# Altium PCB Board.PcbDoc (part 7 of 8)
Units mil, origin at the board's own origin, x right, y up, seen from the top; angles counter-clockwise.
Board outline 2740.16 x 1181.1 mil, 6 copper layers (Top Layer, Int1 (GND), Int2 (Sign), Int3 (Sign), Int4 (PWR), Bottom Layer), stack 60.567 mil thick; 167 components, 261 nets, 1353 pads, 681 vias.
Unrouted connection lines stored in the file: 23.
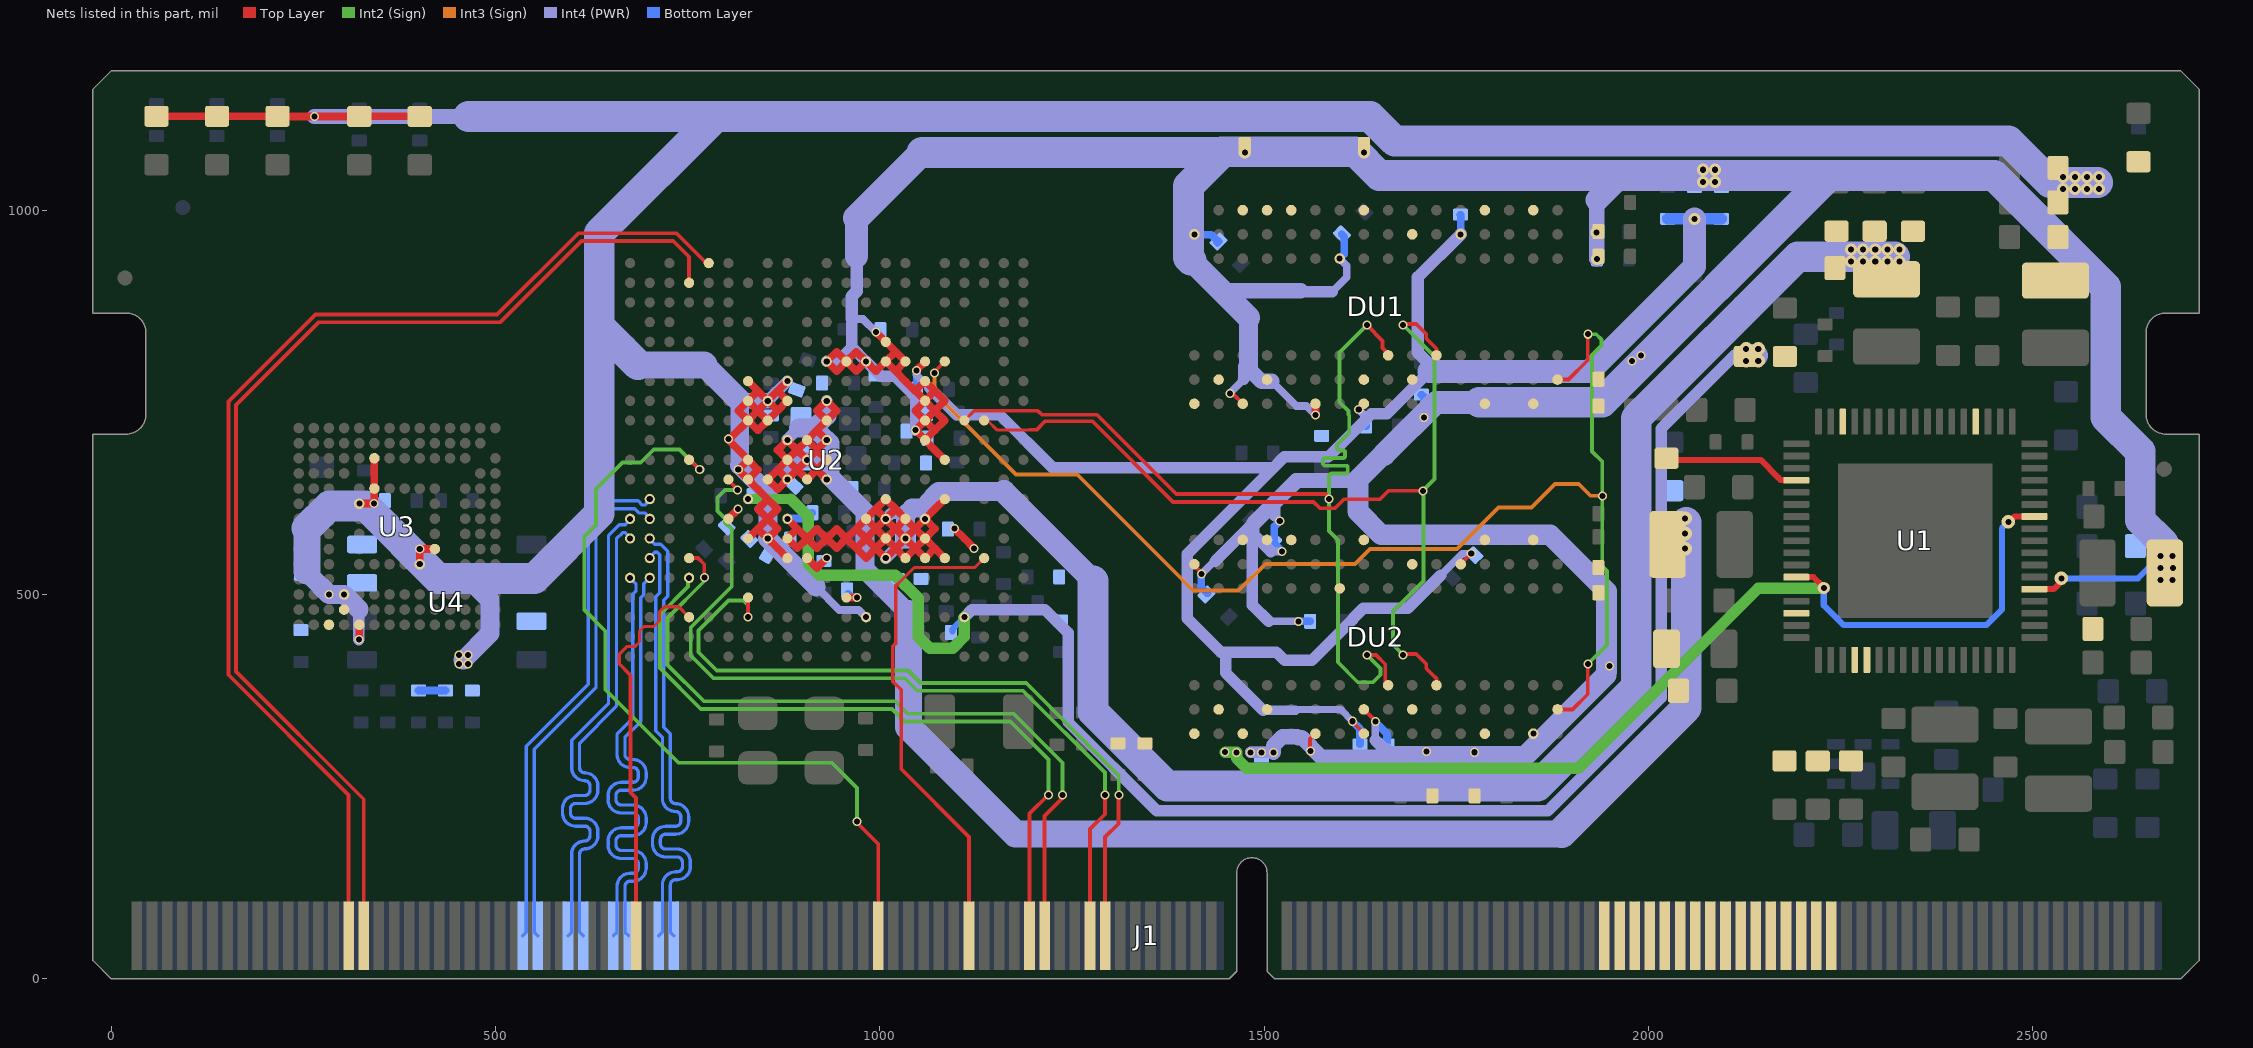
[diagram p11: the nets of this part, all layers, seen from the top]

## Via types
v1: diameter 11.81, hole 7.87, Top Layer to Bottom Layer, tented both sides, 510 vias
v2: diameter 17.72, hole 7.87, Top Layer to Bottom Layer, tented both sides, 112 vias
v3: diameter 15.75, hole 7.87, Top Layer to Bottom Layer, tented both sides, 43 vias
v4: diameter 31.5, hole 11.81, Top Layer to Bottom Layer, 16 vias

## Nets (pads, with @x,y where several pads share a name; then routed paths per layer and width w, separated by ;. In a path a pad name is that pad's centre, name@x,y a point inside that pad or via, vN(x,y) a via of type N, cw(c..) or ccw(c..) an arc to the next point about the centre after c; other vN are vias at no path point) (continued)
SRAS: DU1.J3 DU2.J3 U2.V13 | length 1293.8
  Top Layer w4: U2.V13@1110.24,726.38 1122.92,739.06 1205.94,739.06 1207.46,737.54
  Top Layer w5: 1207.46,737.54 1211.11,733.89 1282.47,733.89 1385.85,630.51 1579.89,630.51 1584.46,625.94 v1(1584.46,624.09) ; v1(1633.86,421.26) 1645.67,421.26 1657.7,409.23 1657.7,385.61 DU2.J3@1661.42,381.89 ; v1(1633.86,850.39) 1654.31,829.94 1654.31,820.51 1661.42,813.4 DU1.J3@1661.42,811.02
  Int2 (Sign) w5: v1(1633.86,421.26) 1651.47,403.64 1651.47,395.57 1641.73,385.83 1622.05,385.83 1596.08,411.79 1596.08,570.87 1584.46,582.49 v1(1584.46,624.09) 1584.46,640 1584.46,652.5 cw(c1589.46,652.5) 1589.46,657.5 1605.99,657.5 ccw(c1605.99,660.5) 1608.99,660.5 1608.99,664.5 ccw(c1605.99,664.5) 1605.99,667.5 1579.93,667.5 cw(c1579.93,670.5) 1576.93,670.5 1576.93,674.5 cw(c1579.93,674.5) 1579.93,677.5 1602.59,677.5 ccw(c1602.59,680.5) 1605.59,680.5 1605.59,684.5 ccw(c1602.59,684.5) 1602.59,687.5 1599.6,687.5 cw(c1599.6,692.5) 1596.06,696.04 1610.84,710.81 1610.84,728.35 1610.84,732.96 1609.84,733.96 1609.84,738.57 1598.43,749.99 1598.43,814.96 v1(1633.86,850.39)
SRST: DU1.T2 DU2.T2 U2.U16 | length 1723.3
  Top Layer w5: v1(1071.21,788.27) 1071.21,789.71 U2.U16@1084.65,803.15 ; DU2.T2@1881.89,350.39 1901.57,350.39 1921.26,370.08 v1(1921.26,409.45) ; DU1.T2@1881.89,779.53 1896.15,779.53 1921.26,804.64 v1(1921.26,838.58)
  Int2 (Sign) w5: v1(1921.26,409.45) 1946.12,434.3 1946.12,530.85 1940,536.97 v1@1940,628.36 ; v1(1921.26,838.58) 1932.23,838.58 1938.88,831.93 1938.88,823.88 1926.75,811.75 1926.75,686.07 1940.05,672.78 1940.05,628.95 v1(1940.64,628.36)
  Int3 (Sign) w5: v1(1071.21,788.27) 1071.21,762.14 1177.35,656 1257,656 1408,505 1466.96,505 1501.8,539.84 1618.58,539.84 1637.74,559 1751,559 1805,613 1848,613 1878.63,643.63 1909.45,643.63 1924.73,628.36 v1(1940.64,628.36)
SVREF: C72.1 C73.2 C74.2 C75.2 C76.2 C77.2 C107.2 DU1.H1 DU1.M8 DU2.H1 DU2.M8 R28.1 R29.2 U2.T16 | length 2662.5
  Top Layer w5: v1(1615,335) 1615,334.41 1629.92,319.49 DU2.H1@1629.92,318.9 ; DU2.M8@1755.91,539.4 v1(1769.61,553.14)
  Top Layer w10: v1@1047.7,791.48 U2.T16@1059.06,802.84 ; v1(1623.25,740.82) 1623.25,741.09 1629.92,747.76 DU1.H1@1629.92,748.03
  Int4 (PWR) w9: 1541.61,350 1541.67,350.05 1599.95,350.05 v1(1615,335)
  Int4 (PWR) w10: v1(1047.7,791.18) 1047.7,786.1 1064.84,768.96 ; 1443.72,425 1450,418.72 ; v1(1623.25,740.82) 1634.4,729.67 ; 1730,525 1758.14,553.14 v1(1769.61,553.14)
  Int4 (PWR) w12: 1498.78,349.21 1540.82,349.21
  Int4 (PWR) w15: 1064.84,768.96 1100.23,733.56 1156.44,733.56 1225,665 1512.36,665 ; 1450,418.72 1450,397.99 1498.78,349.21 ; 1715,790 1660,735 1639.72,735 1634.4,729.67 1583.81,679.08 1526.45,679.08 1512.36,665 ; 1730,525 1686.97,481.97 1629.17,481.97 1615.45,468.25 1615.45,467.37 1562.21,414.13 1526.9,414.13 1516.03,425 1443.72,425 1400,468.72 1400,552.64 1512.36,665
  Int4 (PWR) w16: 1725,790 1700.01,814.99 1700.01,912.61 v1(1755.91,968.51)
  Int4 (PWR) w30: 1715,790 1725,790 1923.43,790 2060,926.57 v3(2060,988.66)
  Bottom Layer w10: v1(1047.7,791.18) 1048.05,790.83 C73.2@1048.05,765 ; v1(1615,335) 1625,325 C77.2@1625,305 ; v1(1623.25,740.82) 1623.25,740.33 1632.78,730.8 C76.2@1632.78,719.03 ; C75.2@1755.66,994.1 1755.78,993.98 1755.78,968.63 v1(1755.91,968.51)
  Bottom Layer w15: R29.2@2025,988.66 v3(2060,988.66) ; C107.2@2060,955 v3(2060,988.66) ; C72.1@2095,988.66 v3(2060,988.66)
SWE: DU1.L3 DU2.L3 U2.W13 | length 1247.5
  Top Layer w4: U2.W13@1136.6,725.6 1140.91,725.6 1152.33,714.19 1166.47,714.19 ; 1166.48,714.19 1195.29,714.19
  Top Layer w4.99: 1195.29,714.19 1204,714.19
  Top Layer w5: U2.W13@1135.83,726.38 U2.W13@1136.6,725.6 ; 1204,714.19 1215.19,725.39 1276.83,725.39 1381.71,620.51 1564.49,620.51 1572.81,612.19 1592.19,612.19 1603.86,623.86 1651.01,623.86 1662.15,635 1706.57,635 v1(1706.77,634.8) ; v1(1681.1,850.39) 1682.41,851.7 1698.15,851.7 1711,838.85 1711,833.03 1724.41,819.62 DU1.L3@1724.41,811.02 ; v1@1682.41,422.56 1698.15,422.56 1711,409.71 1711,403.89 1718.86,396.04 1724.41,390.49 DU2.L3@1724.41,381.89
  Int2 (Sign) w5: v1(1681.1,421.26) 1667.7,434.66 1667.7,477.78 1707.56,517.65 v1@1707.56,634.46 ; v1(1681.1,850.39) 1721.9,809.6 1721.9,650.42 1706.77,635.3 v1(1706.77,634.8)
TVOUT: J1.127 U2.F10 | length 1108.8
  Top Layer w5: U2.F10@803.15,649.61 803.15,648.64 815.08,636.71 v1(815.08,635.74) ; J1.127@1273.62,55.98 1273.62,194.79 1292.94,214.11 v1(1292.94,238.93) v1@1292.94,240.25
  Int2 (Sign) w5: v1(815.08,635.74) 798.56,635.74 789.08,626.25 789.08,608.56 798.92,598.72 798.92,593.66 807.56,585.02 807.56,510.47 754.09,457.01 754.09,420.74 783.81,391.02 1032.64,391.02 1048.92,374.74 1186.49,374.74 1292.94,268.29 v1(1292.94,238.93) v1@1292.15,239.71
UART0_RX: J1.29 U2.E21 | length 1491.5
  Top Layer w5: J1.29@309.06,55.98 309.06,239.07 152.6,395.53 152.6,750.87 265.8,864.07 502.02,864.07 607.95,970 735.45,970 774.35,931.1 U2.E21@777.56,931.1
UART0_TX: J1.31 U2.D20 | length 1479.7
  Top Layer w5: J1.31@328.74,55.98 328.74,233.53 162.6,399.67 162.6,746.73 269.94,854.07 506.16,854.07 612.09,960 731.31,960 751.97,939.34 U2.D20@751.97,905.51
UART1_RX: J1.67 U2.D3 | length 512.5
  Top Layer w4: 660.96,422.35 670.7,432.09 681.31,432.09 687.39,438.16 687.39,452.43 693.24,458.28 705.84,458.28 712.98,465.42 712.98,465.66 713.58,466.26 713.58,477.46 720.12,484 738.44,484 U2.D3@751.97,470.47
  Top Layer w5: 661.1,422.21 661.1,409.76 675.91,394.96 675.91,242.45 683.07,235.29 J1.67@683.07,55.98
UART1_TX: J1.129 U2.G4 | length 981.9
  Top Layer w5: v1(828.74,470.47) U2.G4@828.74,496.06 ; J1.129@1293.31,55.98 1293.31,184.46 1310.5,201.65 1310.5,240.26 v1@1311.4,241.17
  Int2 (Sign) w5: v1(828.74,470.47) 828.74,486.22 822.83,492.13 803.35,492.13 764.15,452.93 764.15,424.82 787.95,401.02 1036.78,401.02 1053.06,384.74 1190.63,384.74 1311.03,264.34 v1@1311.03,241.17
  other v1: 1311.4,238.93
UART2_RTS: J1.121 U2.D6 | length 974.9
  Top Layer w5: U2.D6@751.97,547.24 763.78,547.24 771.77,539.25 v1(771.77,522.13) ; J1.121@1214.57,55.98 1214.57,211.99 1237.85,235.27 v1(1237.85,238.93)
  Int2 (Sign) w5: v1(771.77,522.13) 771.77,517.11 724.09,469.44 724.09,408.31 771.38,361.02 1020.22,361.02 1036.49,344.74 1174.06,344.74 1237.85,280.96 v1(1237.85,238.93)
UART2_RX: J1.119 U2.D5 | length 927.8
  Top Layer w5: J1.119@1194.88,55.98 1194.88,214.88 1219.38,239.38 v1@1219.38,239.53
  Int2 (Sign) w5: v1(751.97,521.65) 750.66,520.35 750.66,510.15 714.09,473.58 714.09,404.17 767.24,351.02 1016.07,351.02 1032.35,334.74 1169.92,334.74 1219.38,285.28 v1(1219.38,238.93)
UART2_TX: J1.99 U2.D11 | length 1051.8
  Top Layer w5: U2.D11@751.97,675.2 752.53,675.2 765.24,662.48 v1(765.81,662.48) ; v1@970.46,207.24 v1(970.46,204.45) 970.46,202.9 998.03,175.33 J1.99@998.03,55.98
  Int2 (Sign) w5: v1(765.81,662.48) 739.69,688.6 705.96,688.6 689.09,671.73 665.32,671.73 630.87,637.28 630.87,590.62 615.67,575.42 615.67,479.7 642.91,452.46 642.91,376.36 738.25,281.02 937.84,281.02 970.46,248.4 v1(970.46,204.45)
UBOOT: J1.111 U2.W6 | length 627.6
  Top Layer w4: 1023,513.02 1045.03,535.05 1123.63,535.05 U2.W6@1135.83,547.24
  Top Layer w5: 1023,513.02 1020.77,510.79 1020.77,436.34 1017,432.56 1017,386.91 1027.93,375.97 1027.93,272.73 1116.14,184.52 J1.111@1116.14,55.98
USB0_N: J1.66 U2.B5 | length 631.8
  Bottom Layer w4.29: J1.66@673.23,55.98 668.53,60.68 668.53,85.37 668.53,120.23 cw(c675.28,120.23) 675.28,126.98 679.08,126.98 ccw(c679.08,144.02) 696.13,144.02 696.13,149.81 ccw(c679.08,149.81) 679.08,166.85 663.66,166.85 cw(c663.66,173.6) 656.91,173.6 656.91,179.39 cw(c663.66,179.39) 663.66,186.14 679.08,186.14 ccw(c679.08,203.18) 696.13,203.18 696.13,208.97 ccw(c679.08,208.97) 679.08,226.01 663.66,226.01 cw(c663.66,232.76) 656.91,232.76 656.91,238.55 cw(c663.66,238.55) 663.66,245.3 679.08,245.3 ccw(c679.08,262.34) 696.13,262.34 696.13,268.13 ccw(c679.08,268.13) 679.08,285.17 675.28,285.17 cw(c675.28,291.92) 668.53,291.92 668.53,299.21 668.53,314.2 688.98,334.65 688.98,495.73 693.14,499.89 693.14,514 v1(700.79,521.65)
USB0_P: J1.64 U2.A5 | length 631.8
  Bottom Layer w4.29: J1.64@653.54,55.98 658.24,60.68 658.24,85.37 658.24,120.23 cw(c675.28,120.23) 675.28,137.27 679.08,137.27 ccw(c679.08,144.02) 685.84,144.02 685.84,149.81 ccw(c679.08,149.81) 679.08,156.56 663.66,156.56 cw(c663.66,173.6) 646.62,173.6 646.62,179.39 cw(c663.66,179.39) 663.66,196.43 679.08,196.43 ccw(c679.08,203.18) 685.84,203.18 685.84,208.97 ccw(c679.08,208.97) 679.08,215.72 663.66,215.72 cw(c663.66,232.76) 646.62,232.76 646.62,238.55 cw(c663.66,238.55) 663.66,255.59 679.08,255.59 ccw(c679.08,262.34) 685.84,262.34 685.84,268.13 ccw(c679.08,268.13) 679.08,274.88 675.28,274.88 cw(c675.28,291.92) 658.24,291.92 658.24,299.21 658.24,318.46 678.69,338.91 678.69,499.99 682.85,504.15 682.85,514 v1(675.2,521.65)
USB1_N: J1.72 U2.B7 | length 623.5
  Bottom Layer w4.29: v1(700.79,572.83) 700.79,571.43 707.03,565.18 714.85,565.18 724.13,555.91 724.13,497.8 718.95,492.62 718.95,327.1 727.59,318.46 727.59,241.92 727.59,234.63 ccw(c734.34,234.63) 734.34,227.88 cw(c734.34,210.84) 751.38,210.84 751.38,205.05 cw(c734.34,205.05) 734.34,188.01 721.38,188.01 ccw(c721.38,181.26) 714.62,181.26 714.62,175.47 ccw(c721.38,175.47) 721.38,168.72 736.58,168.72 cw(c736.58,151.68) 753.62,151.68 753.62,145.89 cw(c736.58,145.89) 736.58,128.85 734.34,128.85 ccw(c734.34,122.1) 727.59,122.1 727.59,99.56 727.59,60.68 J1.72@732.28,55.98
USB1_P: J1.70 U2.B6 | length 606.5
  Bottom Layer w4.29: v1(700.79,547.24) 700.79,548.65 707.03,554.89 710.59,554.89 713.84,551.65 713.84,502.06 708.66,496.88 708.66,322.83 717.3,314.2 717.3,241.92 717.3,234.63 ccw(c734.34,234.63) 734.34,217.59 cw(c734.34,210.84) 741.09,210.84 741.09,205.05 cw(c734.34,205.05) 734.34,198.3 721.38,198.3 ccw(c721.38,181.26) 704.33,181.26 704.33,175.47 ccw(c721.38,175.47) 721.38,158.43 736.58,158.43 cw(c736.58,151.68) 743.33,151.68 743.33,145.89 cw(c736.58,145.89) 736.58,139.14 734.34,139.14 ccw(c734.34,122.1) 717.3,122.1 717.3,99.56 717.3,60.68 J1.70@712.6,55.98
USB2_N: J1.58 U2.A8 | length 658.6
  Bottom Layer w4.29: J1.58@594.49,55.98 599.19,60.68 599.19,117.94 599.19,162.22 cw(c616.23,162.22) 616.23,179.27 ccw(c616.23,186.02) 622.98,186.02 622.98,191.8 ccw(c616.23,191.8) 616.23,198.56 604.33,198.56 cw(c604.33,215.6) 587.29,215.6 587.29,221.38 cw(c604.33,221.38) 604.33,238.43 616.23,238.43 ccw(c616.23,245.18) 622.98,245.18 622.98,250.96 ccw(c616.23,250.96) 616.23,257.72 cw(c616.23,274.76) 599.19,274.76 599.19,282.05 599.19,310.59 647.19,358.59 647.19,576.83 661.13,590.77 668.95,590.77 675.2,597.02 v1(675.2,598.43)
USB2_P: J1.60 U2.A7 | length 641.5
  Bottom Layer w4.29: J1.60@614.17,55.98 609.48,60.68 609.48,117.94 609.48,162.22 cw(c616.23,162.22) 616.23,168.98 ccw(c616.23,186.02) 633.27,186.02 633.27,191.8 ccw(c616.23,191.8) 616.23,208.85 604.33,208.85 cw(c604.33,215.6) 597.58,215.6 597.58,221.38 cw(c604.33,221.38) 604.33,228.14 616.23,228.14 ccw(c616.23,245.18) 633.27,245.18 633.27,250.96 ccw(c616.23,250.96) 616.23,268.01 cw(c616.23,274.76) 609.48,274.76 609.48,282.05 609.48,306.33 657.48,354.33 657.48,572.57 665.39,580.48 668.95,580.48 675.2,574.24 v1(675.2,572.83)
USB3_N: J1.52 U2.B9 | length 672.3
  Bottom Layer w4.29: J1.52@535.43,55.98 540.13,60.68 540.13,135.83 540.13,285.44 540.13,302.71 620.66,383.25 620.66,595.85 646.58,621.77 685.58,621.77 690.98,616.37 694.54,616.37 700.79,622.61 v1(700.79,624.02)
USB3_P: J1.54 U2.B8 | length 655.2
  Bottom Layer w4.29: J1.54@555.12,55.98 550.42,60.68 550.42,135.83 550.42,285.44 550.42,298.45 630.95,378.99 630.95,591.58 650.85,611.48 681.32,611.48 686.72,606.08 694.54,606.08 700.79,599.83 v1(700.79,598.43)
VCC3V3-AUDIO: C28.1 C29.2 C59.2 C60.2 U1.32 U2.G9 U2.V3 | length 2146.2
  Int2 (Sign) w13: v1(828.74,624.02) 884.52,624.02
  Int2 (Sign) w15: 884.52,624.02 907.07,601.47 907.07,539.86 921.93,525 1020.35,525 1050,495.35 1050,445 1065,430 1095,430 1110.24,445.24 v1(1110.24,470.47)
  Int4 (PWR) w15: v1(1110.24,470.47) 1119.76,480 1215,480 1245,450 1245,334.04 1360.63,218.41 1869.37,218.41 2016.86,365.9 2016.86,715.9 2112.13,811.17 v2@2128.58,811.17 ; v2@2142.53,819.07 v2(2143.05,819.59)
  Int4 (PWR) w30: v2@2128.58,811.17 v2@2140.83,811.17
  Bottom Layer w7.87: C60.2@1094.49,451.87 1094.49,454.73 v1(1110.24,470.47)
  other v2: 2127.3,803.84 2143.05,803.84 2127.3,819.59
VCC3V3-RTC: C52.2 R5.2 R7.2 R9.2 R15.2 R16.2 U1.11 U1.46 U2.K6 | length 1431.9
  Top Layer w7.87: U1.46@2192.52,522.64 2214.92,522.64 2226.79,510.77 2226.79,509.78 v3(2228.3,508.27) ; v2(2468.5,594.49) 2469.86,594.49 2476.75,601.38 U1.11@2502.36,601.38
  Top Layer w10: U2.K6@905.51,547.24 918.31,534.45 v1(931.1,547.25) ; v1(1097.04,585.65) 1109.83,572.86 v1(1122.63,560.06)
  Int2 (Sign) w15: v1(1449.31,294.81) 1449.53,294.59 v1(1464.25,294.59) 1464.25,286.84 1477.42,273.67 1908.67,273.67 2143.27,508.27 v3(2228.3,508.27)
  Bottom Layer w7.87: v3(2228.3,508.27) v3(2228.3,508.27) 2228.26,485.85 2254.11,460 2439.79,460 2460,480.21 2460,585.98 v2(2468.5,594.49)
VCC-1V2-CPU: C12.1 C15.1 C34.2 C35.2 C36.2 C37.2 C38.2 L3.1 U2.J7 U2.J8 U2.N8 U2.P6 U2.P7 U2.P8 U2.P9 U2.R6 U2.R7 U2.R8 U2.T6 U2.T7 U2.T8 U2.U6 U2.U9 | length 3208.5
  Top Layer w10: v1(879.92,598.43) 892.72,585.64 ; U2.P8@1007.47,598.04 1020.26,585.24 ; v1(1007.87,547.24) 995.08,560.04 ; U2.P7@1007.87,572.83 995.08,560.04 ; v1(1007.87,598.43) 995.08,585.63 982.28,572.84 ; v1(1007.87,547.24) 1020.67,560.04 ; U2.U6@1084.65,547.24 1071.85,560.04 ; U2.U9@1084.65,624.02 1071.85,611.22 v1(1059.06,598.43) ; 892.72,585.64 U2.J7@879.92,572.83 892.72,560.05 905.51,572.84 ; 892.72,585.63 905.51,572.84 ; 905.51,572.84 918.31,585.63 931.1,572.84 ; 905.51,572.84 918.31,560.04 931.1,572.84 ; 931.1,572.84 943.9,585.63 956.69,572.84 ; 931.1,572.84 943.9,560.04 956.69,572.84 ; 956.69,572.84 969.49,560.04 ; 956.69,572.84 969.49,585.63 ; 969.49,560.04 982.28,572.84 ; 969.49,560.04 982.28,547.24 995.08,560.04 ; 969.49,585.63 982.28,572.84 ; 969.49,585.63 U2.N8@982.28,598.42 ; 982.28,572.83 995.08,560.04 ; U2.N8@982.28,598.42 995.08,611.22 ; U2.N8@982.28,598.42 U2.P7@1007.87,572.83 ; 995.08,611.22 U2.P9@1007.87,624.02 1020.67,611.22 ; 995.08,611.22 v1(1007.87,598.43) 1020.67,611.22 ; U2.P7@1007.87,572.83 1020.67,560.04 ; U2.P7@1007.87,572.83 1020.67,585.63 ; 1020.67,560.04 v1(1033.46,572.83) ; 1020.67,560.04 U2.R6@1033.46,547.24 1046.26,560.04 ; 1020.67,585.63 U2.R8@1033.46,598.42 ; 1020.67,585.63 v1(1033.46,572.83) ; 1020.67,611.22 U2.R8@1033.46,598.42 ; v1(1033.46,572.83) 1046.26,585.63 ; v1(1033.46,572.83) 1046.26,560.04 ; U2.R8@1033.46,598.42 1046.26,585.63 ; 1046.26,560.04 U2.T7@1059.06,572.83 ; 1046.26,560.04 U2.T6@1059.06,547.24 1071.85,560.04 ; 1046.26,585.63 U2.T7@1059.06,572.83 ; 1046.26,585.63 v1(1059.06,598.43) ; U2.T7@1059.06,572.83 1071.85,585.63 v1(1059.06,598.43) ; U2.T7@1059.06,572.83 1071.85,560.04
  Int4 (PWR) w15: v1(1007.87,547.24) v1(1033.46,572.83) ; v1(1007.87,598.43) 1015.17,605.73 1024.62,605.73 ; 1047.5,617.5 1051.45,613.55 1052.68,612.32 1059.06,605.94 v1(1059.06,598.43)
  Int4 (PWR) w25: v1(1033.46,572.83) 1033.46,603.46 1042.32,612.32 1052.68,612.32 1056.08,612.32 1068.75,624.99 1068.75,626.2 1076.49,633.94 1161.46,633.94
  Int4 (PWR) w30: 1161.46,633.94 1277.5,517.9
  Int4 (PWR) w40: 1277.5,517.9 1277.5,347.5 1374.09,250.91 1855.91,250.91 1984.36,379.36 1984.36,729.36 2194.38,939.38 2320.46,939.38
  Bottom Layer w10: v1(879.92,598.43) 880.27,598.77 904.91,598.77 C37.2@912.43,606.29
  other v3: 2263.78,933.07 2279.53,933.07 2295.28,933.07 2311.02,933.07 2326.77,933.07 2263.78,948.82 2279.53,948.82 2295.28,948.82 2311.02,948.82 2326.77,948.82
VCC-1V2-SYS: C27.1 C30.1 C39.2 C40.2 C41.2 C42.2 C43.2 L5.1 R13.1 U1.38 U2.H10 U2.J10 U2.J11 U2.J12 U2.K10 U2.K11 U2.K12 U2.L10 U2.L11 U2.L12 U2.L13 U2.L14 | length 2698.2
  Top Layer w7.87: C27.1@2023.62,677.17 2025.75,675.04 2146.13,675.04 2169.28,651.89 2169.34,651.89 2172.21,649.02 2192.13,649.02 U1.38@2192.52,648.62
  Top Layer w10: v1(931.1,649.61) 918.31,662.4 ; 867.13,662.4 U2.J11@879.92,675.2 ; 867.13,662.4 U2.H10@854.33,649.61 867.13,636.81 v1(879.92,649.61) ; 867.13,662.4 v1(879.92,649.61) ; v1(879.92,649.61) 892.72,662.4 ; U2.J11@879.92,675.2 867.12,687.99 v1(879.92,700.79) 892.72,687.99 ; U2.J11@879.92,675.2 892.72,662.4 ; U2.J11@879.92,675.2 892.72,687.99 ; 892.72,662.4 v1(905.51,675.2) ; 892.72,662.4 U2.K10@905.51,649.61 918.31,662.4 ; 892.72,687.99 v1(905.51,675.2) ; 892.72,687.99 U2.K12@905.51,700.79 ; v1(905.51,675.2) 918.31,687.99 ; v1(905.51,675.2) 918.31,662.4 ; U2.K12@905.51,700.79 918.31,713.58 ; U2.K12@905.51,700.79 918.31,687.99 ; 918.31,662.4 U2.L11@931.1,675.2 918.31,687.99 ; 918.31,687.99 v1(931.1,700.79) 918.31,713.58 ; 918.31,713.58 U2.L13@931.1,726.38 ; U2.L13@931.1,726.38 918.31,739.17 v1(931.1,751.97) 943.9,739.17 U2.L13@931.1,726.38
  Int4 (PWR) w10: v1(879.92,649.61) 880.27,649.95 880.27,662.27 ; v1@905.17,674.85 v1(905.51,675.2) ; 934.66,675.2 934.86,675
  Int4 (PWR) w15: v1@879.92,701.97 894.56,716.61 ; 880.27,662.27 892.85,674.85 ; 931.1,732.44 v1(931.1,751.97)
  Int4 (PWR) w20: 892.85,674.85 v1@905.17,674.85 ; v1(905.51,675.2) 934.66,675.2
  Int4 (PWR) w25: 894.56,716.61 915.28,716.61 ; 931.1,732.44 915.28,716.61 ; 1037.44,475.05 1037.44,475.66 980.75,532.35 980.75,607.47 934.86,653.36 934.86,675 934.86,697.03 v1(931.1,700.79) 915.28,716.61
  Int4 (PWR) w35: 1037.44,475.05 1037.44,327.44 1176.48,188.41 1885.33,188.41 1886.92,190
  Int4 (PWR) w40: 1886.92,190 2049.36,352.43 v2@2049.36,593.71
  other v2: 2047.83,559.55 2047.83,579.24 2047.83,598.92
VCC-1V5: C11.1 C16.1 C72.2 C78.2 C79.2 C80.1 C81.2 C82.2 C83.2 C84.2 C85.2 C86.2 C87.2 C88.2 C89.2 C90.2 C91.2 C92.1 C93.2 C94.2 C95.2 C96.2 C97.2 C98.2 C99.1 C100.2 C101.2 C102.2 C103.2 C104.2 C105.2 C106.2 DU1.A1 DU1.A8 DU1.B2 DU1.C1 DU1.C9 DU1.D2 DU1.D9 DU1.E9 DU1.F1 DU1.G7 DU1.H2 DU1.H9 DU1.K2 DU1.K8 DU1.N1 DU1.N9 DU1.R1 DU1.R9 DU2.A1 DU2.A8 DU2.B2 DU2.C1 DU2.C9 DU2.D2 DU2.D9 DU2.E9 DU2.F1 DU2.G7 DU2.H2 DU2.H9 DU2.K2 DU2.K8 DU2.N1 DU2.N9 DU2.R1 DU2.R9 L4.1 R28.2 U1.5 U2.L16 U2.M16 U2.N16 U2.P16 U2.P17 U2.R16 U2.T12 U2.T13 U2.T14 U2.T15 U2.U11 | length 6897.2
  Top Layer w4.99: v1(1455.68,761.55) 1456.99,760.25 1460.23,760.25 DU1.C1@1472.44,748.03
  Top Layer w5: DU2.A8@1409.45,539.37 1409.45,537.37 1418.45,528.37 v1(1418.45,526.53) ; v1@1560,300 1560,311.97 DU2.F1@1566.93,318.9 ; DU1.F1@1566.93,748.03 DU1.F1@1567.06,747.9 ; DU2.H2@1629.92,350.1 v1@1644.84,335.18
  Top Layer w7.87: U1.5@2502.36,506.89 2527.34,506.89 2535.86,515.41 2535.86,519.44 v2(2537.36,520.94)
  Top Layer w10: v1(995.08,841.54) U2.P17@1007.87,828.74 ; U2.P16@1007.87,803.15 1020.67,815.95 ; U2.P17@1007.87,828.74 1020.67,815.95 ; v1@1046.26,713.58 U2.T13@1059.06,726.38 ; v1(1046.67,713.68) U2.T12@1059.31,701.05 ; U2.T12@1059.47,700.89 U2.T12@1059.31,701.05 ; U2.U11@1084.65,675.2 1071.85,687.99 U2.T12@1059.06,700.79 U2.T12@1059.31,701.05 ; v1(1567.03,733.64) 1566.98,733.69 1566.98,747.82 DU1.F1@1567.06,747.9 ; U2.M16@956.69,803.15 943.9,790.36 v1(931.1,803.15) 943.9,815.95 U2.M16@956.69,803.15 ; U2.M16@956.69,803.15 969.49,790.36 v1(982.28,803.15) ; U2.M16@956.69,803.15 969.49,815.95 v1(982.28,803.15) ; v1(982.28,803.15) 995.08,790.36 U2.P16@1007.87,803.15 1020.67,790.36 ; 1020.67,790.36 U2.R16@1033.46,803.15 1020.67,815.95 ; 1020.67,790.35 1033.47,777.56 1046.26,764.76 ; 1046.26,764.76 U2.T14@1059.06,751.97 ; 1046.26,764.76 U2.T15@1059.06,777.56 1071.85,764.76 ; U2.T13@1059.06,726.38 1071.85,739.17 ; U2.T13@1059.06,726.38 1071.85,713.58 ; U2.T13@1059.06,726.38 1046.26,739.17 U2.T14@1059.06,751.97 ; U2.T14@1059.06,751.97 1071.85,764.76 ; U2.T14@1059.06,751.97 1071.85,739.17 ; U2.T12@1059.31,701.05 1071.85,713.58 ; 1071.85,713.58 1084.65,726.38 1071.85,739.17 ; 1071.85,739.17 1084.65,751.97 1071.85,764.77
  Int4 (PWR) w10: 963.43,858.43 963.88,858.43 978.18,858.43 v1(995.08,841.54) ; v1(1418.45,526.53) 1435.96,544.04 ; v1(1455.68,761.55) 1455.68,762.04 1473.68,780.04 ; 1489.4,575.3 1489.4,589.04 ; 1506.09,465 v1(1545,465) ; 1508.89,555.81 v1(1523.67,555.81) ; 1510,777.29 1542.02,745.27 1554.91,745.27 1566.54,733.64 v1(1567.03,733.64) ; 1514.18,602.1 v1(1520.5,595.79) ; 1588.72,893.69 1607.84,912.81 1607.84,927.6 v1(1598.43,937.01) ; 1644.84,310.47 v1(1644.84,334.59)
  Int4 (PWR) w15: v1(931.1,803.15) 945.47,803.15 963.88,821.56 ; 963.88,858.88 963.88,858.43 963.88,821.56 ; v1(982.28,803.15) 963.88,821.56 ; v1@983.36,802.07 1001.64,783.79 1019.9,783.79 1046.67,757.02 v1(1046.67,713.68) ; 1436.59,543.41 1485,591.82 1485,486.09 1506.09,465 ; 1473.68,780.04 1473.68,797.11 ; v1@1482.66,294.64 1512.19,294.64 v1@1512.33,294.77 ; 1489.4,575.3 1508.89,555.81 ; 1514.18,602.1 1514.18,620.07 1514.18,620.82 ; 1550.31,893.69 1588.72,893.69 ; 1644.84,310.47 1658.83,296.49
  Int4 (PWR) w16: 963.43,858.43 963.43,887.75 970,894.32 970,940
  Int4 (PWR) w20: 1450.65,894.92 1548.03,894.92 ; 1480,794.21 1496.91,777.29 1510,777.29 ; 1486.27,592.17 1514.18,620.07 1542.05,647.95 ; v1@1512.33,294.77 1512.33,303.24 1524.04,314.96 1543.25,314.96 1544.46,313.74 1549.3,313.74 1575.04,288 1665.9,288 ; 1541.68,648.32 1622.21,648.32 ; 1658.83,296.49 1665.9,289.41 ; v3(1933.01,936.37) 1933.08,936.44 1933.08,1013.08